# KiCad board austin.kicad_pcb (continued)
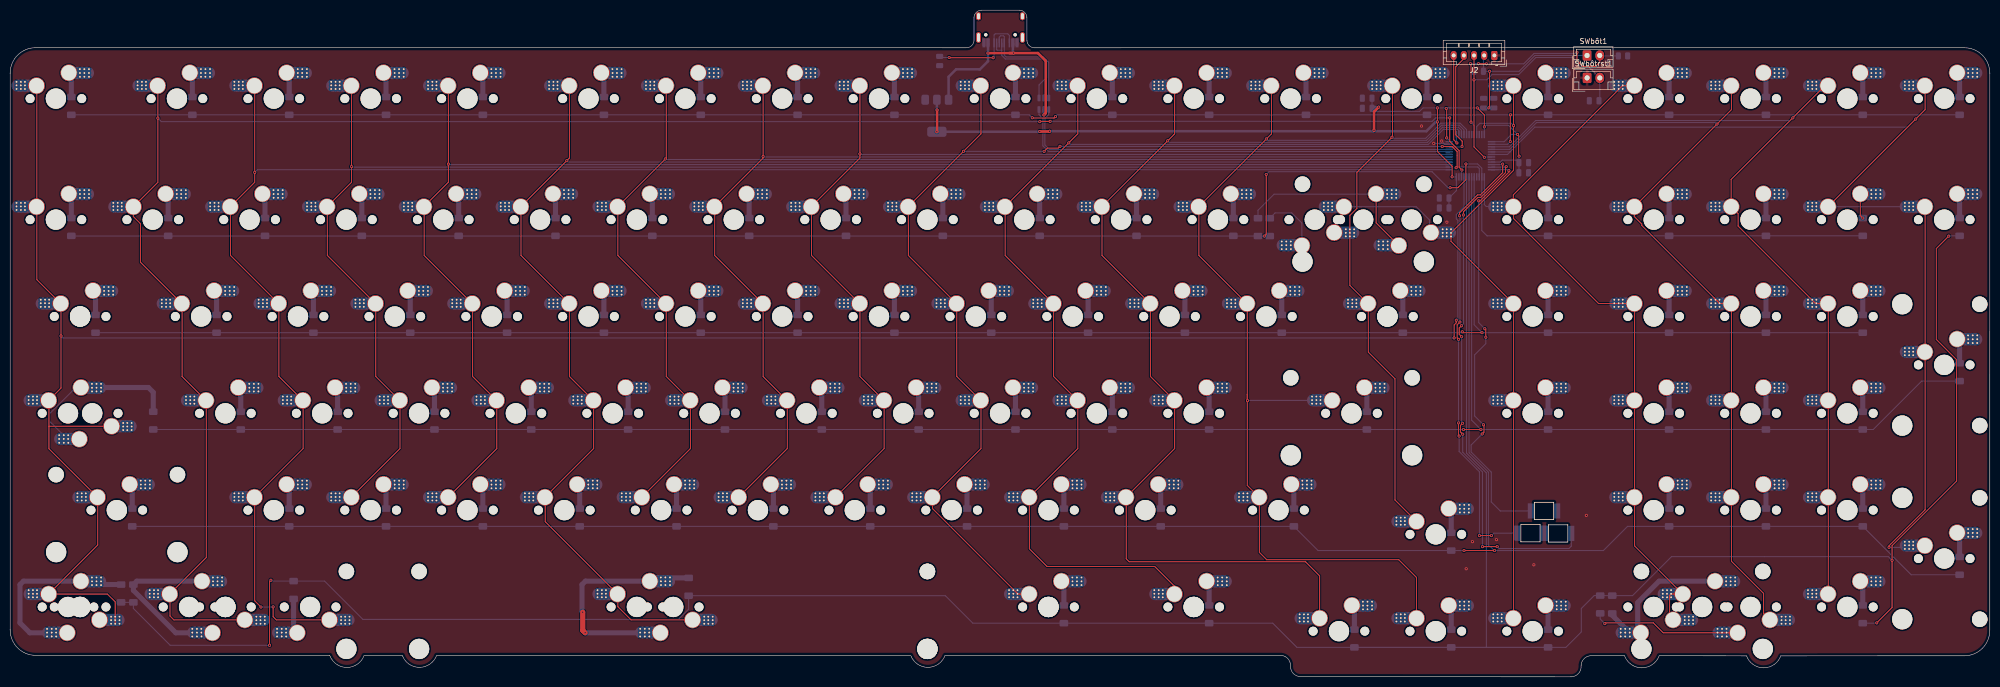
[diagram p0: board, top side]
## Footprints (pads in the part's own frame, mm; a bottom-side part is the same pattern mirrored in y, then rotated) (continued)
  oval 1x1.6 hole 0.6x1.2: S1(-4.32,-1.05) S1(4.32,-1.05)
  oval 1x2.1 hole 0.6x1.7: S1(-4.32,3.13) S1(4.32,3.13)

## Nets
+3.3V: C1.2 C2.2 C3.2 C4.2 C5.2 C6.2 C7.2 C8.2 C9.2 J2.2 SWbôt1.1 U2.2 U6.1 U6.9 U6.24 U6.36 U6.48
+5V: J1.A4 J1.A9 J1.B4 J1.B9 U1.5 U2.3
GND: C1.1 C2.1 C3.1 C4.1 C5.1 C6.1 C7.1 C8.1 C9.1 C10.2 J1.A1 J1.A12 J1.B1 J1.B12 J2.1 LEDCAPS1.2 LEDNUM1.2 LEDSCR1.2 R1.2 R2.2 SWbôtrst1.1 U1.2 U2.1 U6.8 U6.23 U6.35 U6.47
boot: R1.1 SWbôt1.2 U6.44
C0: SW1.2 SW20.2 SW39.2 SW57.2 SW70.2 SW76.2 SW1001.2 SW1005.2 U6.21
C1: SW2.2 SW21.2 SW40.2 SW58.2 SW89.2 SW1004.2 U6.22
C2: SW3.2 SW22.2 SW41.2 SW59.2 SW77.2 SW94.2 U6.25
C3: SW4.2 SW23.2 SW42.2 SW60.2 SW78.2 U6.26
C4: SW5.2 SW24.2 SW43.2 SW61.2 SW79.2 U6.27
C5: SW6.2 SW25.2 SW44.2 SW62.2 SW80.2 SW97.2 SW1003.2 U6.28
C6: SW7.2 SW26.2 SW45.2 SW63.2 SW81.2 U6.29
C7: SW8.2 SW27.2 SW46.2 SW64.2 SW82.2 U6.30
C8: SW9.2 SW28.2 SW47.2 SW65.2 SW83.2 U6.31
C9: SW10.2 SW29.2 SW48.2 SW66.2 SW84.2 SW101.2 U6.15
C10: SW11.2 SW30.2 SW49.2 SW67.2 SW85.2 SW102.2 U6.38
C11: SW12.2 SW31.2 SW50.2 SW68.2 SW86.2 SW103.2 U6.39
C12: SW13.2 SW32.2 SW51.2 SW69.2 SW87.2 SW104.2 U6.40
C13: SW14.2 SW33.2 SW52.2 SW88.2 U6.41
C14: SW15.2 SW34.2 SW53.2 SW71.2 SW106.2 SW1000.2 U6.45
C15: SW16.2 SW35.2 SW54.2 SW72.2 SW90.2 SW107.2 SW1002.2 U6.13
C16: SW17.2 SW36.2 SW55.2 SW73.2 SW91.2 SW108.2 U6.4
C17: SW18.2 SW37.2 SW56.2 SW74.2 SW92.2 SW109.2 U6.3
C18: SW19.2 SW38.2 SW75.2 SW93.2 SW110.2 U6.5 U6.6
CLK: J2.5 U6.37
D+: U1.4 U6.33
D-: U1.6 U6.32
DIO: J2.4 U6.34
R0: D1.1 D2.1 D3.1 D4.1 D5.1 D6.1 D7.1 D8.1 D9.1 D10.1 D11.1 D12.1 D13.1 D14.1 D15.1 D16.1 D17.1 D18.1 D19.1 U6.2
R1: D20.1 D21.1 D22.1 D23.1 D24.1 D25.1 D26.1 D27.1 D28.1 D29.1 D30.1 D31.1 D32.1 D33.1 D34.1 D35.1 D36.1 D37.1 D38.1 U6.14
R2: D39.1 D40.1 D41.1 D42.1 D43.1 D44.1 D45.1 D46.1 D47.1 D48.1 D49.1 D50.1 D51.1 D52.1 D53.1 D54.1 D55.1 D56.1 U6.17
R3: D57.1 D58.1 D59.1 D60.1 D61.1 D62.1 D63.1 D64.1 D65.1 D66.1 D67.1 D68.1 D69.1 D71.1 D72.1 D73.1 D74.1 D75.1 U6.18
R4: D70.1 D77.1 D78.1 D79.1 D80.1 D81.1 D82.1 D83.1 D84.1 D85.1 D86.1 D87.1 D88.1 D90.1 D91.1 D92.1 D93.1 U6.19
R5: D76.1 D89.1 D94.1 D97.1 D101.1 D102.1 D103.1 D104.1 D106.1 D107.1 D108.1 D109.1 D110.1 U6.20
RST: C10.1 J2.3 SWbôtrst1.2 U6.7
Net-(D1-A): D1.2 SW1.1
Net-(D2-A): D2.2 SW2.1
Net-(D3-A): D3.2 SW3.1
Net-(D4-A): D4.2 SW4.1
Net-(D5-A): D5.2 SW5.1
Net-(D6-A): D6.2 SW6.1
Net-(D7-A): D7.2 SW7.1
Net-(D8-A): D8.2 SW8.1
Net-(D9-A): D9.2 SW9.1
Net-(D10-A): D10.2 SW10.1
Net-(D11-A): D11.2 SW11.1
Net-(D12-A): D12.2 SW12.1
Net-(D13-A): D13.2 SW13.1
Net-(D14-A): D14.2 SW14.1
Net-(D15-A): D15.2 SW15.1
Net-(D16-A): D16.2 SW16.1
Net-(D17-A): D17.2 SW17.1
Net-(D18-A): D18.2 SW18.1
Net-(D19-A): D19.2 SW19.1
Net-(D20-A): D20.2 SW20.1
Net-(D21-A): D21.2 SW21.1
Net-(D22-A): D22.2 SW22.1
Net-(D23-A): D23.2 SW23.1
Net-(D24-A): D24.2 SW24.1
Net-(D25-A): D25.2 SW25.1
Net-(D26-A): D26.2 SW26.1
Net-(D27-A): D27.2 SW27.1
Net-(D28-A): D28.2 SW28.1
Net-(D29-A): D29.2 SW29.1
Net-(D30-A): D30.2 SW30.1
Net-(D31-A): D31.2 SW31.1
Net-(D32-A): D32.2 SW32.1
Net-(D33-A): D33.2 SW33.1
Net-(D34-A): D34.2 SW34.1 SW1000.1
Net-(D35-A): D35.2 SW35.1
Net-(D36-A): D36.2 SW36.1
Net-(D37-A): D37.2 SW37.1
Net-(D38-A): D38.2 SW38.1
Net-(D39-A): D39.2 SW39.1
Net-(D40-A): D40.2 SW40.1
Net-(D41-A): D41.2 SW41.1
Net-(D42-A): D42.2 SW42.1
Net-(D43-A): D43.2 SW43.1
Net-(D44-A): D44.2 SW44.1
Net-(D45-A): D45.2 SW45.1
Net-(D46-A): D46.2 SW46.1
Net-(D47-A): D47.2 SW47.1
Net-(D48-A): D48.2 SW48.1
Net-(D49-A): D49.2 SW49.1
Net-(D50-A): D50.2 SW50.1
Net-(D51-A): D51.2 SW51.1
Net-(D52-A): D52.2 SW52.1
Net-(D53-A): D53.2 SW53.1
Net-(D54-A): D54.2 SW54.1
Net-(D55-A): D55.2 SW55.1
Net-(D56-A): D56.2 SW56.1
Net-(D57-A): D57.2 SW57.1 SW1001.1
Net-(D58-A): D58.2 SW58.1
Net-(D59-A): D59.2 SW59.1
Net-(D60-A): D60.2 SW60.1
Net-(D61-A): D61.2 SW61.1
Net-(D62-A): D62.2 SW62.1
Net-(D63-A): D63.2 SW63.1
Net-(D64-A): D64.2 SW64.1
Net-(D65-A): D65.2 SW65.1
Net-(D66-A): D66.2 SW66.1
Net-(D67-A): D67.2 SW67.1
Net-(D68-A): D68.2 SW68.1
Net-(D69-A): D69.2 SW69.1
Net-(D70-A): D70.2 SW70.1
Net-(D71-A): D71.2 SW71.1
Net-(D72-A): D72.2 SW72.1
Net-(D73-A): D73.2 SW73.1
Net-(D74-A): D74.2 SW74.1
Net-(D75-A): D75.2 SW75.1
Net-(D76-A): D76.2 SW76.1 SW1005.1
Net-(D77-A): D77.2 SW77.1
Net-(D78-A): D78.2 SW78.1
Net-(D79-A): D79.2 SW79.1
Net-(D80-A): D80.2 SW80.1
Net-(D81-A): D81.2 SW81.1
Net-(D82-A): D82.2 SW82.1
Net-(D83-A): D83.2 SW83.1
Net-(D84-A): D84.2 SW84.1
Net-(D85-A): D85.2 SW85.1
Net-(D86-A): D86.2 SW86.1
Net-(D87-A): D87.2 SW87.1
Net-(D88-A): D88.2 SW88.1
Net-(D89-A): D89.2 SW89.1 SW1004.1
Net-(D90-A): D90.2 SW90.1
Net-(D91-A): D91.2 SW91.1
Net-(D92-A): D92.2 SW92.1
Net-(D93-A): D93.2 SW93.1
Net-(D94-A): D94.2 SW94.1
Net-(D97-A): D97.2 SW97.1 SW1003.1
Net-(D101-A): D101.2 SW101.1
Net-(D102-A): D102.2 SW102.1
Net-(D103-A): D103.2 SW103.1
Net-(D104-A): D104.2 SW104.1
Net-(D106-A): D106.2 SW106.1
Net-(D107-A): D107.2 SW107.1 SW1002.1
Net-(D108-A): D108.2 SW108.1
Net-(D109-A): D109.2 SW109.1
Net-(D110-A): D110.2 SW110.1
Net-(J1-CC1): J1.A5 J1.B5 R2.1
Net-(J1-D+-PadA6): J1.A6 J1.B6 U1.3
Net-(J1-D--PadA7): J1.A7 J1.B7 U1.1
Net-(LEDCAPS1-K): LEDCAPS1.1 U6.11
Net-(LEDNUM1-K): LEDNUM1.1 U6.10
Net-(LEDSCR1-K): LEDSCR1.1 U6.12

Pads without a net: J1 S1; U6 16 42 43 46

## Via types
v1: diameter 0.6, hole 0.3, Top to Bottom, 117 vias

## Routing (per net, layer and track width the routed paths; a pad name or vN(x,y) marks a point on that pad's centre or on a via; arc(x,y) is an arc through that point)
+3.3V: length 233.1
  Top w0.2: v1(283.66,98.36) 283.66,100.45 280.77,103.34 v1(280.77,109.18) v1(280.77,111.92) ; v1(290.88,111.92) 291.04,112.08 v1(291.04,119.13) ; v1(296.84,102.42) 296.76,102.5 296.76,106.49 v1(296.53,106.72) ; v1(290,108.19) 290,110.55 v1(288.63,111.92) ; v1(282.59,106.02) 282.59,111.73 v1(282.51,111.81)
  Top w0.5: v1(202.55,107.28) 204.41,107.28 v1(204.47,107.34) ; v1(268.31,107.51) 268.31,111.17 v1(269.21,112.08) ; v1(182.34,111.52) 182.34,107.27 v1(182.31,107.23)
  Bottom w0.2: U6.48 v1(290,108.19) 290.31,108.5 294.75,108.5 v1(296.53,106.72) 295.34,106.72 293.89,105.27 U6.1 ; J2.2 289.82,122.1 C5.2 v1(291.04,119.13) 296.85,119.13 299.97,122.24 SWbôt1.1 ; 283.33,111.92 282.63,111.92 v1(282.51,111.81) ; 283.33,111.92 v1(288.63,111.92) v1(290.88,111.92) C7.2 ; 283.33,111.92 v1(280.77,111.92) 277.95,111.92 277.27,111.25 268.51,111.25 C3.2 C4.2 ; 296.8,99.16 296.81,99.17 C1.2 ; C8.2 283.04,92.25 C9.2 284.5,95.65 U6.24 283.67,98.36 v1(283.66,98.36) ; v1(296.84,102.42) 296.81,102.39 C1.2 ; U6.36 283.09,105.53 v1(282.59,106.02) ; C1.2 296.31,101.65 293.54,101.65 293.16,101.27 U6.9
  Bottom w0.5: v1(202.55,107.28) 202.5,107.23 v1(182.31,107.23) ; C3.2 268.14,112.08 v1(269.21,112.08) ; v1(182.34,111.52) 182.31,111.56 U2.2 ; v1(280.77,109.18) 280.45,109.18 278.62,107.34 268.13,107.34 ; v1(204.47,107.34) 268.13,107.34 ; 268.13,107.34 v1(268.31,107.51)
+5V: length 43.8
  Top w0.5: v1(197.37,122.71) 196.57,122.71 ; 196.57,122.71 202.19,122.71 203.72,121.17 203.72,110.89 v1(203.37,110.53) ; 196.57,122.71 v1(192.37,122.71)
  Bottom w0.5: U1.5 203.37,111.59 v1(203.37,110.53) ; J1.A4 v1(192.37,122.71) 192.37,121.11 190.76,119.51 186.08,119.51 184.61,118.04 U2.3 ; J1.B4 197.26,122.81 v1(197.37,122.71)
GND: length 4.9
  Bottom w0.2: v1(281.62,105.4) 282.25,104.77 U6.35 282.14,104.77 281.96,104.95 v1(280.04,104.95)
  vias: v1(277.64,108.35) v1(282.64,89.44) v1(286.44,21.26) v1(287.66,26.59) v1(292.38,26.98) v1(299.75,22.04) v1(310.07,31.75)
boot: length 48.1
  Top w0.2: SWbôt1.2 312.71,120.94 311.88,120.1 309.33,120.1 308.22,121.21 v1(308.22,122.85) ; v1(290.42,120.59) 290.4,120.61 v1(288.85,120.61) ; v1(287.38,109.11) 287.38,120.51 v1(287.26,120.62)
  Bottom w0.2: SWbôt1.2 312.8,122.15 316.37,122.15 ; v1(287.26,120.62) 288.84,120.62 v1(288.85,120.61) ; v1(308.22,122.85) 308.02,122.64 299.8,122.64 297.75,120.59 v1(290.42,120.59) ; U6.44 288,108.48 v1(287.38,109.11)
C0: length 448.5
  Top w0.2: SW57.2 7.68,49.3 7.63,49.25 ; 7.63,49.25 7.63,44.88 SW70.2 17.23,35.28 17.23,25.94 SW76.2 19.12,16.28 20.66,14.75 SW1005.2 ; 7.63,49.25 7.63,54.33 SW1001.2 10.01,56.82 v1(10.01,67.06) 10.01,73.38 SW39.2 5.24,78.14 5.24,92.43 SW20.2 5.24,92.54 5.24,116.24 SW1.2 ; v1(284.49,70.17) 284.49,69.66 284.06,69.23 v1(284.06,66.67)
  Bottom w0.2: v1(284.06,66.67) 10.4,66.67 v1(10.01,67.06) ; v1(284.49,70.17) 284.72,70.17 284.8,70.25 284.8,89.78 284.5,90.09 284.5,90.94 286,92.45 U6.21
C1: length 398.2
  Top w0.2: SW1004.2 32.2,11.2 31.44,11.97 31.44,16.23 SW89.2 38.58,23.48 38.58,54.33 SW58.2 33.82,59.09 33.82,73.38 SW40.2 25.62,81.57 25.62,89.16 24.24,90.55 SW21.2 29.06,97.3 v1(29.06,109.9) 29.06,116.24 SW2.2 ; v1(283.19,109.97) 283.19,108.79 ; 283.19,108.79 283.19,105.36 285.05,103.51 285.05,100.25 v1(285.59,99.7) ; 283.19,108.79 283.19,109.29 ; v1(202.55,109.22) 202.6,109.27 v1(204.59,109.27)
  Bottom w0.2: v1(204.59,109.27) 204.62,109.29 279.75,109.29 280.42,109.97 v1(283.19,109.97) ; v1(29.06,109.9) 29.74,109.22 v1(202.55,109.22) ; U6.22 285.5,99.61 v1(285.59,99.7)
C2: length 365.9
  Top w0.2: SW3.2 48.11,116.24 v1(48.11,99.24) 48.11,97.3 SW22.2 43.34,92.43 43.34,82.9 SW41.2 52.87,73.38 52.87,59.09 SW59.2 57.63,54.33 57.63,44.91 SW77.2 48.11,35.28 48.11,14.96 v1(49.34,13.72) ; SW94.2 52.36,11.2 51.73,11.83 v1(51.73,13.76)
  Bottom w0.2: v1(51.73,13.76) 51.7,13.72 v1(49.34,13.72) ; U6.25 48.64,99.77 v1(48.11,99.24)
C3: length 308.9
  Top w0.2: SW78.2 76.68,44.91 76.68,54.33 SW60.2 71.92,59.09 71.92,73.38 SW42.2 62.39,82.9 62.39,92.43 SW23.2 67.16,97.3 67.16,116.24 SW4.2
  Bottom w0.2: U6.26 67.26,100.27 v1(67.16,100.37)
C4: length 289.8
  Top w0.2: SW5.2 86.21,116.24 86.21,97.3 SW24.2 81.45,92.43 81.45,82.9 SW43.2 90.97,73.38 90.97,59.09 SW61.2 95.73,54.33 95.73,44.91 SW79.2
  Bottom w0.2: v1(86.21,100.87) 86.31,100.77 U6.27
C5: length 311.8
  Top w0.2: SW6.2 110.02,116.24 110.02,102.06 v1(109.5,101.55) SW25.2 100.49,92.43 100.49,82.9 SW44.2 110.02,73.38 110.02,59.09 SW62.2 114.78,54.33 114.78,44.91 SW80.2 105.26,35.28 105.26,30.52 SW1003.2 119.55,16.23 119.55,13.8 122.14,11.2 SW97.2
  Bottom w0.2: v1(109.5,101.55) 109.77,101.27 U6.28
C6: length 249.1
  Top w0.2: SW7.2 129.07,116.24 129.07,102.06 v1(128.88,101.88) SW26.2 119.55,92.43 119.55,82.9 SW45.2 129.07,73.38 129.07,59.09 SW63.2 133.83,54.33 133.83,44.91 SW81.2
  Bottom w0.2: v1(128.88,101.88) 128.99,101.77 U6.29
C7: length 229.9
  Top w0.2: SW8.2 148.12,116.24 148.12,102.06 SW27.2 138.59,92.43 138.59,82.9 SW46.2 148.12,73.38 148.12,59.09 SW64.2 152.88,54.33 152.88,44.91 SW82.2
  Bottom w0.2: v1(148.12,102.37) 148.22,102.27 U6.30
C8: length 210.8
  Top w0.2: SW83.2 171.93,44.91 171.93,54.33 SW65.2 167.17,59.09 167.17,73.38 SW47.2 157.64,82.9 157.64,92.43 SW28.2 167.17,102.06 v1(167.17,102.88) 167.17,116.24 SW9.2
  Bottom w0.2: v1(167.17,102.88) 167.28,102.77 U6.31
C9: length 232.7
  Top w0.2: v1(203.4,103.37) 204.05,104.02 206.19,104.02 v1(206.53,104.37) ; v1(284.46,100.16) 284.65,100.35 284.65,103.34 283.64,104.35 v1(281.71,104.35) ; SW10.2 190.98,116.24 190.98,106.83 v1(187.54,103.39) SW29.2 176.69,92.43 176.69,82.9 SW48.2 186.22,73.38 186.22,59.09 SW66.2 190.98,54.33 190.98,44.91 SW84.2 181.46,35.28 181.46,33.09 198.27,16.28 SW101.2
  Bottom w0.2: v1(203.4,103.37) 187.56,103.37 v1(187.54,103.39) ; v1(206.53,104.37) 206.56,104.35 v1(281.71,104.35) ; U6.15 289,100.01 288.71,100.3 284.6,100.3 v1(284.46,100.16)
C10: length 219.1
  Top w0.2: SW11.2 210.03,116.24 210.03,106.83 v1(208.25,105.05) SW30.2 195.75,92.43 195.75,82.9 SW49.2 205.27,73.38 205.27,59.09 SW67.2 210.03,54.33 210.03,44.91 SW85.2 200.51,35.28 200.51,25.19 203.98,21.71 225.15,21.71 229.03,17.84 SW102.2
  Bottom w0.2: U6.38 285,107.46 284.74,107.72 281.94,107.72 278.97,104.75 208.55,104.75 v1(208.25,105.05)
C11: length 217.1
  Top w0.2: SW103.2 257.6,19.87 254.82,22.64 220.13,22.64 219.56,23.22 219.56,35.28 SW86.2 229.08,44.91 229.08,54.33 SW68.2 224.32,59.09 224.32,73.38 SW50.2 214.79,82.9 214.79,91.55 214.65,91.69 214.74,91.78 SW31.2 v1(227.71,105.46) 229.08,106.83 229.08,116.24 SW12.2
  Bottom w0.2: U6.39 285.5,107.52 284.9,108.12 281.78,108.12 278.8,105.15 228.02,105.15 v1(227.71,105.46)
C12: length 203.2
  Top w0.2: v1(243.41,54.33) 243.37,54.38 243.37,55.59 ; SW13.2 248.13,116.24 248.13,106.83 v1(247.12,105.81) SW32.2 233.84,92.43 233.84,82.9 SW51.2 243.37,73.38 243.37,55.59 ; 243.37,55.59 243.37,37.66 SW87.2 245.75,35.28 245.75,24.49 247.19,23.04 273.16,23.04 276.65,19.56 SW104.2
  Bottom w0.2: v1(247.12,105.81) 247.38,105.55 278.64,105.55 281.61,108.52 285.07,108.52 286,107.59 U6.40 ; v1(243.41,54.33) 243.46,54.38 SW69.2
C13: length 112.1
  Top w0.2: SW14.2 271.94,116.24 271.94,106.26 v1(271.83,106.15) 264.94,99.25 264.94,92.16 263.55,90.77 SW33.2 263.55,77.01 SW52.2 267.18,73.38 267.18,63.88 272.42,58.63 272.42,34.8 SW88.2
  Bottom w0.2: v1(271.83,106.15) 272.04,105.95 278.47,105.95 281.45,108.92 285.23,108.92 286.5,107.65 U6.41
C14: length 144.8
  Top w0.2: SW15.2 295.76,116.24 v1(295.76,108.44) 295.76,99.65 SW34.2 283.45,85.69 SW53.2 295.76,73.38 295.76,11.58 SW106.2
  Bottom w0.2: SW1000.2 276.62,92.48 279.23,89.86 279.23,87.68 SW34.2 ; U6.45 288.5,108.26 289.14,108.9 295.3,108.9 v1(295.76,108.44)
C15: length 144.4
  Top w0.2: SW107.2 326.44,11.89 326.44,16.02 326.71,16.28 SW1002.2 319.57,25.75 319.57,35.28 SW90.2 319.57,35.39 319.57,54.33 SW72.2 319.57,54.44 319.57,73.38 SW54.2 312.48,73.43 295.76,90.16 295.76,92.43 SW35.2 295.7,94.82 317.18,116.3 SW16.2
  Bottom w0.2: SW35.2 290.37,92.54 290,92.9 U6.13
C16: length 172.1
  Top w0.2: SW108.2 344.94,12.44 344.94,16.41 338.62,22.74 338.62,35.28 SW91.2 338.62,35.39 338.62,54.33 SW73.2 338.62,54.44 338.62,73.38 SW55.2 336.33,73.43 320.97,88.79 320.97,89.09 319.51,90.55 SW36.2 v1(335.77,108.74) 338.62,111.59 338.62,116.24 SW17.2
  Bottom w0.2: U6.4 295,103.77 300.27,109.04 335.47,109.04 v1(335.77,108.74)
C17: length 179.4
  Top w0.2: SW109.2 357.67,16.34 357.67,35.28 SW92.2 357.67,35.39 357.67,54.33 SW74.2 357.67,54.44 357.67,73.38 SW56.2 355.17,73.43 339.93,88.68 339.93,91.12 SW37.2 338.56,97.85 357.01,116.3 SW18.2
  Bottom w0.2: U6.3 294.93,104.27 300.1,109.44 350.17,109.44 v1(350.7,109.97)
C18: length 218.1
  Top w0.2: v1(369.62,25.46) 369.62,25.78 376.72,32.88 376.72,63.85 376.66,63.91 376.72,63.96 376.72,92.43 SW110.2 ; SW38.2 v1(374.87,109.74) 376.72,111.59 376.72,116.24 SW19.2
  Bottom w0.2: U6.6 294.56,102.77 295.13,103.34 ; v1(369.62,25.46) 373.28,25.46 373.62,25.81 SW93.2 ; U6.5 295.06,103.27 295.13,103.34 ; 295.13,103.34 299.93,108.14 373.27,108.14 v1(374.87,109.74) ; SW110.2 SW38.2
CLK: length 19.2
  Top w0.2: v1(284.6,105.03) 283.97,105.66 J2.5
  Bottom w0.2: U6.37 284.5,105.13 v1(284.6,105.03)
D+: length 87.2
  Bottom w0.2: U1.4 204.3,110.61 203.55,109.86 203.55,104.64 204.44,103.75 282.39,103.75 282.42,103.72 282.45,103.72 282.5,103.77 U6.33
D-: length 87.9
  Bottom w0.2: U1.6 202.4,110.61 203.15,109.86 203.15,104.47 204.28,103.35 282.24,103.35 282.27,103.32 282.45,103.32 282.5,103.27 U6.32
DIO: length 21.7
  Top w0.2: J2.4 285.97,121.61 284.38,120.01 284.38,106.65 285.65,105.37 285.65,104.37 v1(285.62,104.33)
  Bottom w0.2: U6.34 285.56,104.27 v1(285.62,104.33)
R0: length 381.2
  Top w0.2: v1(205.63,110.21) 205.35,109.93 201.12,109.93 v1(201.06,109.98) ; v1(295.16,110.57) 295.1,110.51 v1(295.1,105.29)
  Bottom w0.2: v1(295.1,105.29) 294.58,104.77 U6.2 ; D1.1 D10.1 200.48,110.57 v1(201.06,109.98) ; v1(205.63,110.21) 205.99,110.57 D11.1 D19.1
R1: length 383.7
  Top w0.2: v1(283.26,96.22) 284.79,96.22 286.38,97.8 v1(286.38,100.9) ; v1(246.72,86.72) 247.09,87.08 v1(247.09,98.83)
  Bottom w0.2: D20.1 12.07,86.72 v1(246.72,86.72) D33.1 ; v1(283.26,96.22) 282.88,96.22 279.72,99.37 247.63,99.37 v1(247.09,98.83) ; v1(286.38,100.9) 288.68,100.9 289.5,100.08 U6.14 289.5,87.79 290.54,86.75 290.55,86.75 D35.1 D38.1
R2: length 379.1
  Top w0.2: v1(285.66,67.88) 285.84,67.7 289.55,67.7 v1(289.56,67.7)
  Bottom w0.2: D56.1 v1(289.56,67.7) 288,69.25 U6.17 ; D39.1 D52.1 285.49,67.7 v1(285.66,67.88)
R3: length 409.8
  Top w0.2: v1(285.9,48.64) 289.32,48.64 v1(289.33,48.66)
  Bottom w0.2: D75.1 376.03,58.18 366.51,48.66 D74.1 v1(289.33,48.66) 287.5,50.48 U6.18 ; v1(285.9,48.64) 285.89,48.66 D69.1 28.16,48.66 D57.1
R4: length 443
  Top w0.2: v1(286,24.84) 292.01,24.84 v1(292.01,24.84)
  Bottom w0.2: U6.19 287,44.07 290.81,40.27 290.81,25.95 291.91,24.84 v1(292.01,24.84) 313.42,24.84 318.19,29.6 D90.1 D92.1 373.98,20.08 D93.1 ; D70.1 D87.1 257.3,24.84 D88.1 286,24.84 v1(286,24.84)
R5: length 609
  Top w0.2: v1(51.3,19) 51.02,18.73 v1(51.02,6.2) ; v1(367.2,10.61) 370.21,13.62 v1(370.21,22.91) 370.21,25.81 382.92,38.52 382.92,62.38 378.92,66.38 378.92,84.26 v1(381.37,86.7)
  Bottom w0.2: D103.1 306.04,5.79 309.08,8.83 309.08,13.45 311.62,15.98 D108.1 312.81,15.97 D107.1 319.16,15.97 326.82,23.64 369.48,23.64 v1(370.21,22.91) ; D103.1 253.15,5.79 248.38,10.55 D102.1 189.37,10.55 183.96,15.96 D97.1 133.47,13.32 131.46,11.3 69.38,11.3 61.84,18.83 D94.1 51.46,18.83 v1(51.3,19) ; D103.1 290.45,5.79 ; v1(381.37,86.7) 381.42,86.75 D110.1 ; D76.1 D89.1 24.24,13.45 31.48,6.2 v1(51.02,6.2) ; D109.1 367.15,10.55 v1(367.2,10.61) ; U6.20 286.5,44.01 290.4,40.11 290.4,5.84 290.45,5.79 ; 290.45,5.79 D106.1
RST: length 55.1
  Top w0.2: v1(290,102.21) 287.97,104.24 v1(287.97,117.46) J2.3
  Bottom w0.2: U6.7 290.06,102.27 v1(290,102.21) ; v1(287.97,117.46) 290.48,117.46 291.5,118.47 296.76,118.47 300.13,121.84 307.28,121.84 308.44,120.68 309.87,120.68 SWbôtrst1.2 312.72,113.49 C10.1
Net-(D1-A): length 5
  Bottom w1: 11.54,118.84 12.03,118.35 D1.2
Net-(D2-A): length 5
  Bottom w1: D2.2 35.84,118.35 SW2.1
Net-(D3-A): length 5
  Bottom w1: D3.2 54.89,118.35 SW3.1
Net-(D4-A): length 5
  Bottom w1: D4.2 73.94,118.35 SW4.1
Net-(D5-A): length 5
  Bottom w1: SW5.1 92.99,118.35 D5.2
Net-(D6-A): length 5
  Bottom w1: SW6.1 116.8,118.35 D6.2
Net-(D7-A): length 5
  Bottom w1: D7.2 135.86,118.35 SW7.1
Net-(D8-A): length 5
  Bottom w1: SW8.1 154.9,118.35 D8.2
Net-(D9-A): length 5
  Bottom w1: SW9.1 173.95,118.35 D9.2
Net-(D10-A): length 5
  Bottom w1: SW10.1 197.77,118.35 D10.2
Net-(D11-A): length 5
  Bottom w1: SW11.1 216.82,118.35 D11.2
Net-(D12-A): length 5
  Bottom w1: SW12.1 235.87,118.35 D12.2
Net-(D13-A): length 5
  Bottom w1: SW13.1 254.92,118.35 D13.2
Net-(D14-A): length 5
  Bottom w1: D14.2 278.73,118.35 SW14.1
Net-(D15-A): length 5
  Bottom w1: D15.2 302.54,118.35 SW15.1
Net-(D16-A): length 5
  Bottom w1: D16.2 326.35,118.35 SW16.1
Net-(D17-A): length 5
  Bottom w1: SW17.1 345.4,118.35 D17.2
Net-(D18-A): length 5
  Bottom w1: SW18.1 364.45,118.35 D18.2
Net-(D19-A): length 5
  Bottom w1: D19.2 383.5,118.35 SW19.1
Net-(D20-A): length 5
  Bottom w1: D20.2 12.03,94.53 11.54,95.02
Net-(D21-A): length 5
  Bottom w1: SW21.1 31.08,94.53 D21.2
Net-(D22-A): length 5
  Bottom w1: D22.2 50.13,94.53 SW22.1
Net-(D23-A): length 5
  Bottom w1: SW23.1 69.18,94.53 D23.2
Net-(D24-A): length 5
  Bottom w1: SW24.1 88.23,94.53 D24.2
Net-(D25-A): length 5
  Bottom w1: D25.2 107.28,94.53 106.79,95.02
Net-(D26-A): length 5
  Bottom w1: D26.2 126.33,94.53 SW26.1
Net-(D27-A): length 5
  Bottom w1: D27.2 145.38,94.53 SW27.1
Net-(D28-A): length 5
  Bottom w1: D28.2 164.43,94.53 SW28.1
Net-(D29-A): length 5
  Bottom w1: SW29.1 183.48,94.53 D29.2
Net-(D30-A): length 5
  Bottom w1: 202.04,95.02 202.53,94.53 D30.2
Net-(D31-A): length 5
  Bottom w1: SW31.1 221.58,94.53 D31.2
Net-(D32-A): length 5
  Bottom w1: SW32.1 240.63,94.53 D32.2
Net-(D33-A): length 12
  Bottom w0.2: SW33.1 254.11,89.28 252.12,91.27 248.84,91.27 D33.2
Net-(D34-A): length 38.1
  Top w0.2: SW34.1 268.71,89.31 SW1000.1
  Bottom w0.2: D34.2 245.48,91.79 248.65,94.95 268.65,94.95 SW1000.1
Net-(D35-A): length 5
  Bottom w1: D35.2 302.54,94.53 SW35.1
Net-(D36-A): length 5
  Bottom w1: SW36.1 326.35,94.53 D36.2
Net-(D37-A): length 5
  Bottom w1: D37.2 345.4,94.53 SW37.1
Net-(D38-A): length 5
  Top w0.2: v1(364.45,90.25) 363.96,90.75 SW38.1
Net-(D39-A): length 5
  Bottom w1: SW39.1 16.79,75.48 D39.2
Net-(D40-A): length 5
  Bottom w1: SW40.1 40.61,75.48 D40.2
Net-(D41-A): length 5
  Bottom w1: D41.2 59.65,75.48 SW41.1
Net-(D42-A): length 5
  Bottom w1: SW42.1 78.7,75.48 D42.2
Net-(D43-A): length 5
  Bottom w1: SW43.1 97.76,75.48 D43.2
Net-(D44-A): length 5
  Bottom w1: D44.2 116.8,75.48 SW44.1
Net-(D45-A): length 5
  Bottom w1: D45.2 135.86,75.48 SW45.1
Net-(D46-A): length 5
  Bottom w1: SW46.1 154.9,75.48 D46.2
Net-(D47-A): length 5
  Bottom w1: D47.2 173.95,75.48 SW47.1
Net-(D48-A): length 5
  Bottom w1: D48.2 193,75.48 SW48.1
Net-(D49-A): length 5
  Bottom w1: D49.2 212.06,75.48 SW49.1
Net-(D50-A): length 5
  Bottom w1: SW50.1 231.1,75.48 D50.2
Net-(D51-A): length 5
  Bottom w1: SW51.1 250.15,75.48 D51.2
Net-(D52-A): length 5
  Bottom w1: SW52.1 273.97,75.48 D52.2
Net-(D53-A): length 5
  Bottom w1: SW53.1 302.54,75.48 D53.2
Net-(D54-A): length 5
  Bottom w1: D54.2 326.35,75.48 SW54.1
Net-(D55-A): length 5
  Bottom w1: D55.2 345.4,75.48 SW55.1
Net-(D56-A): length 5
  Bottom w1: SW56.1 364.45,75.48 D56.2
Net-(D57-A): length 35.6
  Bottom w0.2: SW1001.1 12.91,56.92 7.63,51.63 7.63,50.41 11.27,46.76 SW57.1
  Bottom w1: SW1001.1 27.2,56.92 28.15,55.98 D57.2
Net-(D58-A): length 5
  Bottom w1: SW58.1 45.37,56.43 D58.2
Net-(D59-A): length 5
  Bottom w1: SW59.1 64.42,56.43 D59.2
Net-(D60-A): length 5
  Bottom w1: SW60.1 83.47,56.43 D60.2
Net-(D61-A): length 5
  Bottom w1: SW61.1 102.52,56.43 D61.2
Net-(D62-A): length 5
  Bottom w1: D62.2 121.57,56.43 SW62.1
Net-(D63-A): length 5
  Bottom w1: D63.2 140.62,56.43 SW63.1
Net-(D64-A): length 5
  Bottom w1: SW64.1 159.67,56.43 D64.2
Net-(D65-A): length 5
  Bottom w1: D65.2 178.72,56.43 SW65.1
Net-(D66-A): length 5
  Bottom w1: SW66.1 197.77,56.43 D66.2
Net-(D67-A): length 5
  Bottom w1: SW67.1 216.82,56.43 D67.2
Net-(D68-A): length 5
  Bottom w1: SW68.1 235.87,56.43 D68.2
Net-(D69-A): length 5
  Bottom w1: SW69.1 266.9,56.43 D69.2
Net-(D70-A): length 5
  Bottom w1: D70.2 24.01,37.38 SW70.1
Net-(D71-A): length 5
  Bottom w1: D71.2 302.54,56.43 SW71.1
Net-(D72-A): length 5
  Bottom w1: SW72.1 326.35,56.43 D72.2
Net-(D73-A): length 5
  Bottom w1: SW73.1 345.4,56.43 D73.2
Net-(D74-A): length 5
  Bottom w1: D74.2 364.45,56.43 SW74.1
Net-(D75-A): length 5
  Bottom w1: SW75.1 383.5,65.96 D75.2
Net-(D76-A): length 38.1
  Bottom w1: SW1005.1 3.86,8.66 1.93,10.6 1.93,18.13 2.62,18.82 SW76.1 14.59,18.16 D76.2
Net-(D77-A): length 5
  Bottom w1: D77.2 54.89,37.38 SW77.1
Net-(D78-A): length 5
  Bottom w1: SW78.1 73.94,37.38 D78.2
Net-(D79-A): length 5
  Bottom w1: SW79.1 92.99,37.38 D79.2
Net-(D80-A): length 5
  Bottom w1: D80.2 112.04,37.38 SW80.1
Net-(D81-A): length 5
  Bottom w1: SW81.1 131.09,37.38 D81.2
Net-(D82-A): length 5
  Bottom w1: SW82.1 150.14,37.38 D82.2
Net-(D83-A): length 5
  Bottom w1: SW83.1 169.19,37.38 D83.2
Net-(D84-A): length 5
  Bottom w1: D84.2 188.24,37.38 SW84.1
Net-(D85-A): length 5
  Bottom w1: D85.2 207.29,37.38 SW85.1
Net-(D86-A): length 5
  Bottom w1: SW86.1 226.34,37.38 D86.2
Net-(D87-A): length 5
  Bottom w1: D87.2 252.54,37.38 SW87.1
Net-(D88-A): length 5
  Bottom w1: D88.2 283.49,32.62 SW88.1
Net-(D89-A): length 33.9
  Bottom w1: SW89.1 24.91,18.82 D89.2 24.24,17.01 32.58,8.66 SW1004.1
Net-(D90-A): length 5
  Bottom w1: SW90.1 326.35,37.38 D90.2
Net-(D91-A): length 5
  Bottom w1: D91.2 345.4,37.38 SW91.1
Net-(D92-A): length 5
  Bottom w1: D92.2 364.45,37.38 SW92.1
Net-(D93-A): length 5
  Bottom w1: D93.2 383.5,27.86 SW93.1
Net-(D94-A): length 7
  Bottom w1: SW94.1 55.76,9.37 D94.2
Net-(D97-A): length 46.1
  Top w1: v1(113.11,8.67) 112.64,9.13 v1(112.64,12.72)
  Bottom w1: v1(112.64,12.72) 112.49,12.87 112.49,18.14 113.18,18.83 SW1003.1 126.47,19.46 D97.2 ; SW97.1 113.11,8.66 v1(113.11,8.67)
Net-(D101-A): length 5
  Bottom w1: SW101.1 207.29,18.33 D101.2
Net-(D102-A): length 5
  Bottom w1: D102.2 235.87,18.33 SW102.1
Net-(D103-A): length 5
  Bottom w1: SW103.1 264.44,13.57 D103.2
Net-(D104-A): length 5
  Bottom w1: D104.2 283.49,13.57 SW104.1
Net-(D106-A): length 5
  Bottom w1: SW106.1 302.54,13.57 D106.2
Net-(D107-A): length 28.3
  Bottom w1: SW1002.1 324.38,18.82 320.17,14.62 320.17,9.27 SW107.1 ; SW107.1 315.17,12.11 D107.2
Net-(D108-A): length 29.4
  Top w0.2: v1(313.71,10.46) 313.87,10.61 323.25,10.61 325.2,8.66 SW108.1
  Bottom w0.2: D108.2 312.8,11.38 v1(313.71,10.46)
Net-(D109-A): length 5
  Bottom w1: SW109.1 364.45,18.33 D109.2
Net-(D110-A): length 5
  Bottom w1: SW110.1 383.5,94.53 D110.2
Net-(J1-CC1): length 19.9
  Top w0.2: v1(193.38,121.79) 184.76,121.79 v1(184.71,121.84)
  Bottom w0.2: J1.B5 196.56,126.18 196.25,126.5 193.79,126.5 193.56,126.27 J1.A5 193.56,121.98 v1(193.38,121.79) ; v1(184.71,121.84) 183.07,121.84 R2.1
Net-(J1-D+-PadA6): length 22.3
  Bottom w0.2: U1.3 204.3,120.92 203.26,121.95 195.94,121.95 195.56,122.33 J1.B6 195.56,125.95 195.41,126.1 194.82,126.1 194.56,125.84 J1.A6
Net-(J1-D--PadA7): length 21.8
  Bottom w0.2: U1.1 202.4,116.45 203.9,117.95 203.9,120.75 203.1,121.55 195.78,121.55 195.06,122.27 195.06,123.24 ; 195.06,123.24 J1.A7 ; 195.06,123.24 195.03,123.27 194.19,123.27 194.06,123.4 J1.B7
Net-(LEDCAPS1-K): length 104.4
  Top w0.2: v1(294.31,100.37) 294.17,100.24 294.17,99.2 289.28,94.31 288.72,94.31 285.9,91.5 v1(285.9,90.85) ; v1(285.5,69.06) 285.06,68.62 285.06,67.39 v1(285.54,66.91) ; v1(285.73,49.88) 285.31,49.45 285.31,48.18 v1(285.75,47.73) ; v1(292.53,25.62) 292.52,25.61 v1(289.63,25.61)
  Bottom w0.2: v1(294.31,100.37) 294.21,100.27 U6.11 ; v1(285.9,90.85) 285.9,69.46 v1(285.5,69.06) ; v1(289.63,25.61) 289.63,40.31 285.75,44.19 v1(285.75,47.73) ; v1(285.54,66.91) 285.54,50.07 v1(285.73,49.88) ; LEDCAPS1.1 307.12,25.71 306.64,25.24 292.92,25.24 v1(292.53,25.62)
Net-(LEDNUM1-K): length 88.9
  Top w0.2: v1(285.04,47.37) 284.9,47.51 284.9,49.93 v1(284.94,49.96) ; v1(289.03,27.78) v1(291.4,27.78) ; v1(284.93,66.4) 284.66,66.67 284.66,69.27 v1(285.2,69.8) ; v1(293.61,100.87) 293.61,99.2 289.22,94.81 288.65,94.81 285.12,91.27 v1(285.12,90.71)
  Bottom w0.2: v1(293.61,100.87) 293.51,100.77 U6.10 ; v1(285.12,90.71) 285.2,90.63 v1(285.2,69.8) ; v1(285.04,47.37) 285.04,44.34 289.03,40.35 v1(289.03,27.78) ; v1(284.93,66.4) 284.93,49.97 v1(284.94,49.96) ; LEDNUM1.1 291.89,28.27 v1(291.4,27.78)
Net-(LEDSCR1-K): length 86.1
  Top w0.2: v1(288.9,93.64) 289.18,93.64 294.84,99.3 v1(294.84,99.58) ; v1(289.83,49.58) 289.94,49.48 289.94,48.13 v1(289.57,47.77) ; v1(290.29,66.81) 290.29,68.28 v1(290.09,68.48)
  Bottom w0.2: 292.79,99.77 U6.12 294.64,99.77 v1(294.84,99.58) ; v1(290.29,66.81) 290.29,65.54 288.09,63.34 288.09,51.32 v1(289.83,49.58) ; LEDSCR1.1 293.14,32.63 291.37,34.4 291.37,40.28 287.4,44.24 287.4,45.6 v1(289.57,47.77) ; v1(290.09,68.48) 288.9,69.68 v1(288.9,93.64)

## Copper pours and planes (outline as drawn; the poured copper is in the pictures)
GND on Top, Bottom: 419.32,160.66 -28.23,158.77 -33.45,-13.33 408.41,-14.28
